# Altium PCB PCB - v3.PcbDoc (part 2 of 2)
Units mm, origin at the board's own origin, x right, y up, seen from the top; angles counter-clockwise.
Board outline 54.04 x 54.04 mm, 4 copper layers (Top Layer, Int1 (GND), Int2 (GND), Bottom Layer), stack 1.586 mm thick; 170 components, 116 nets, 729 pads, 96 vias.
Unrouted connection lines stored in the file: 174.
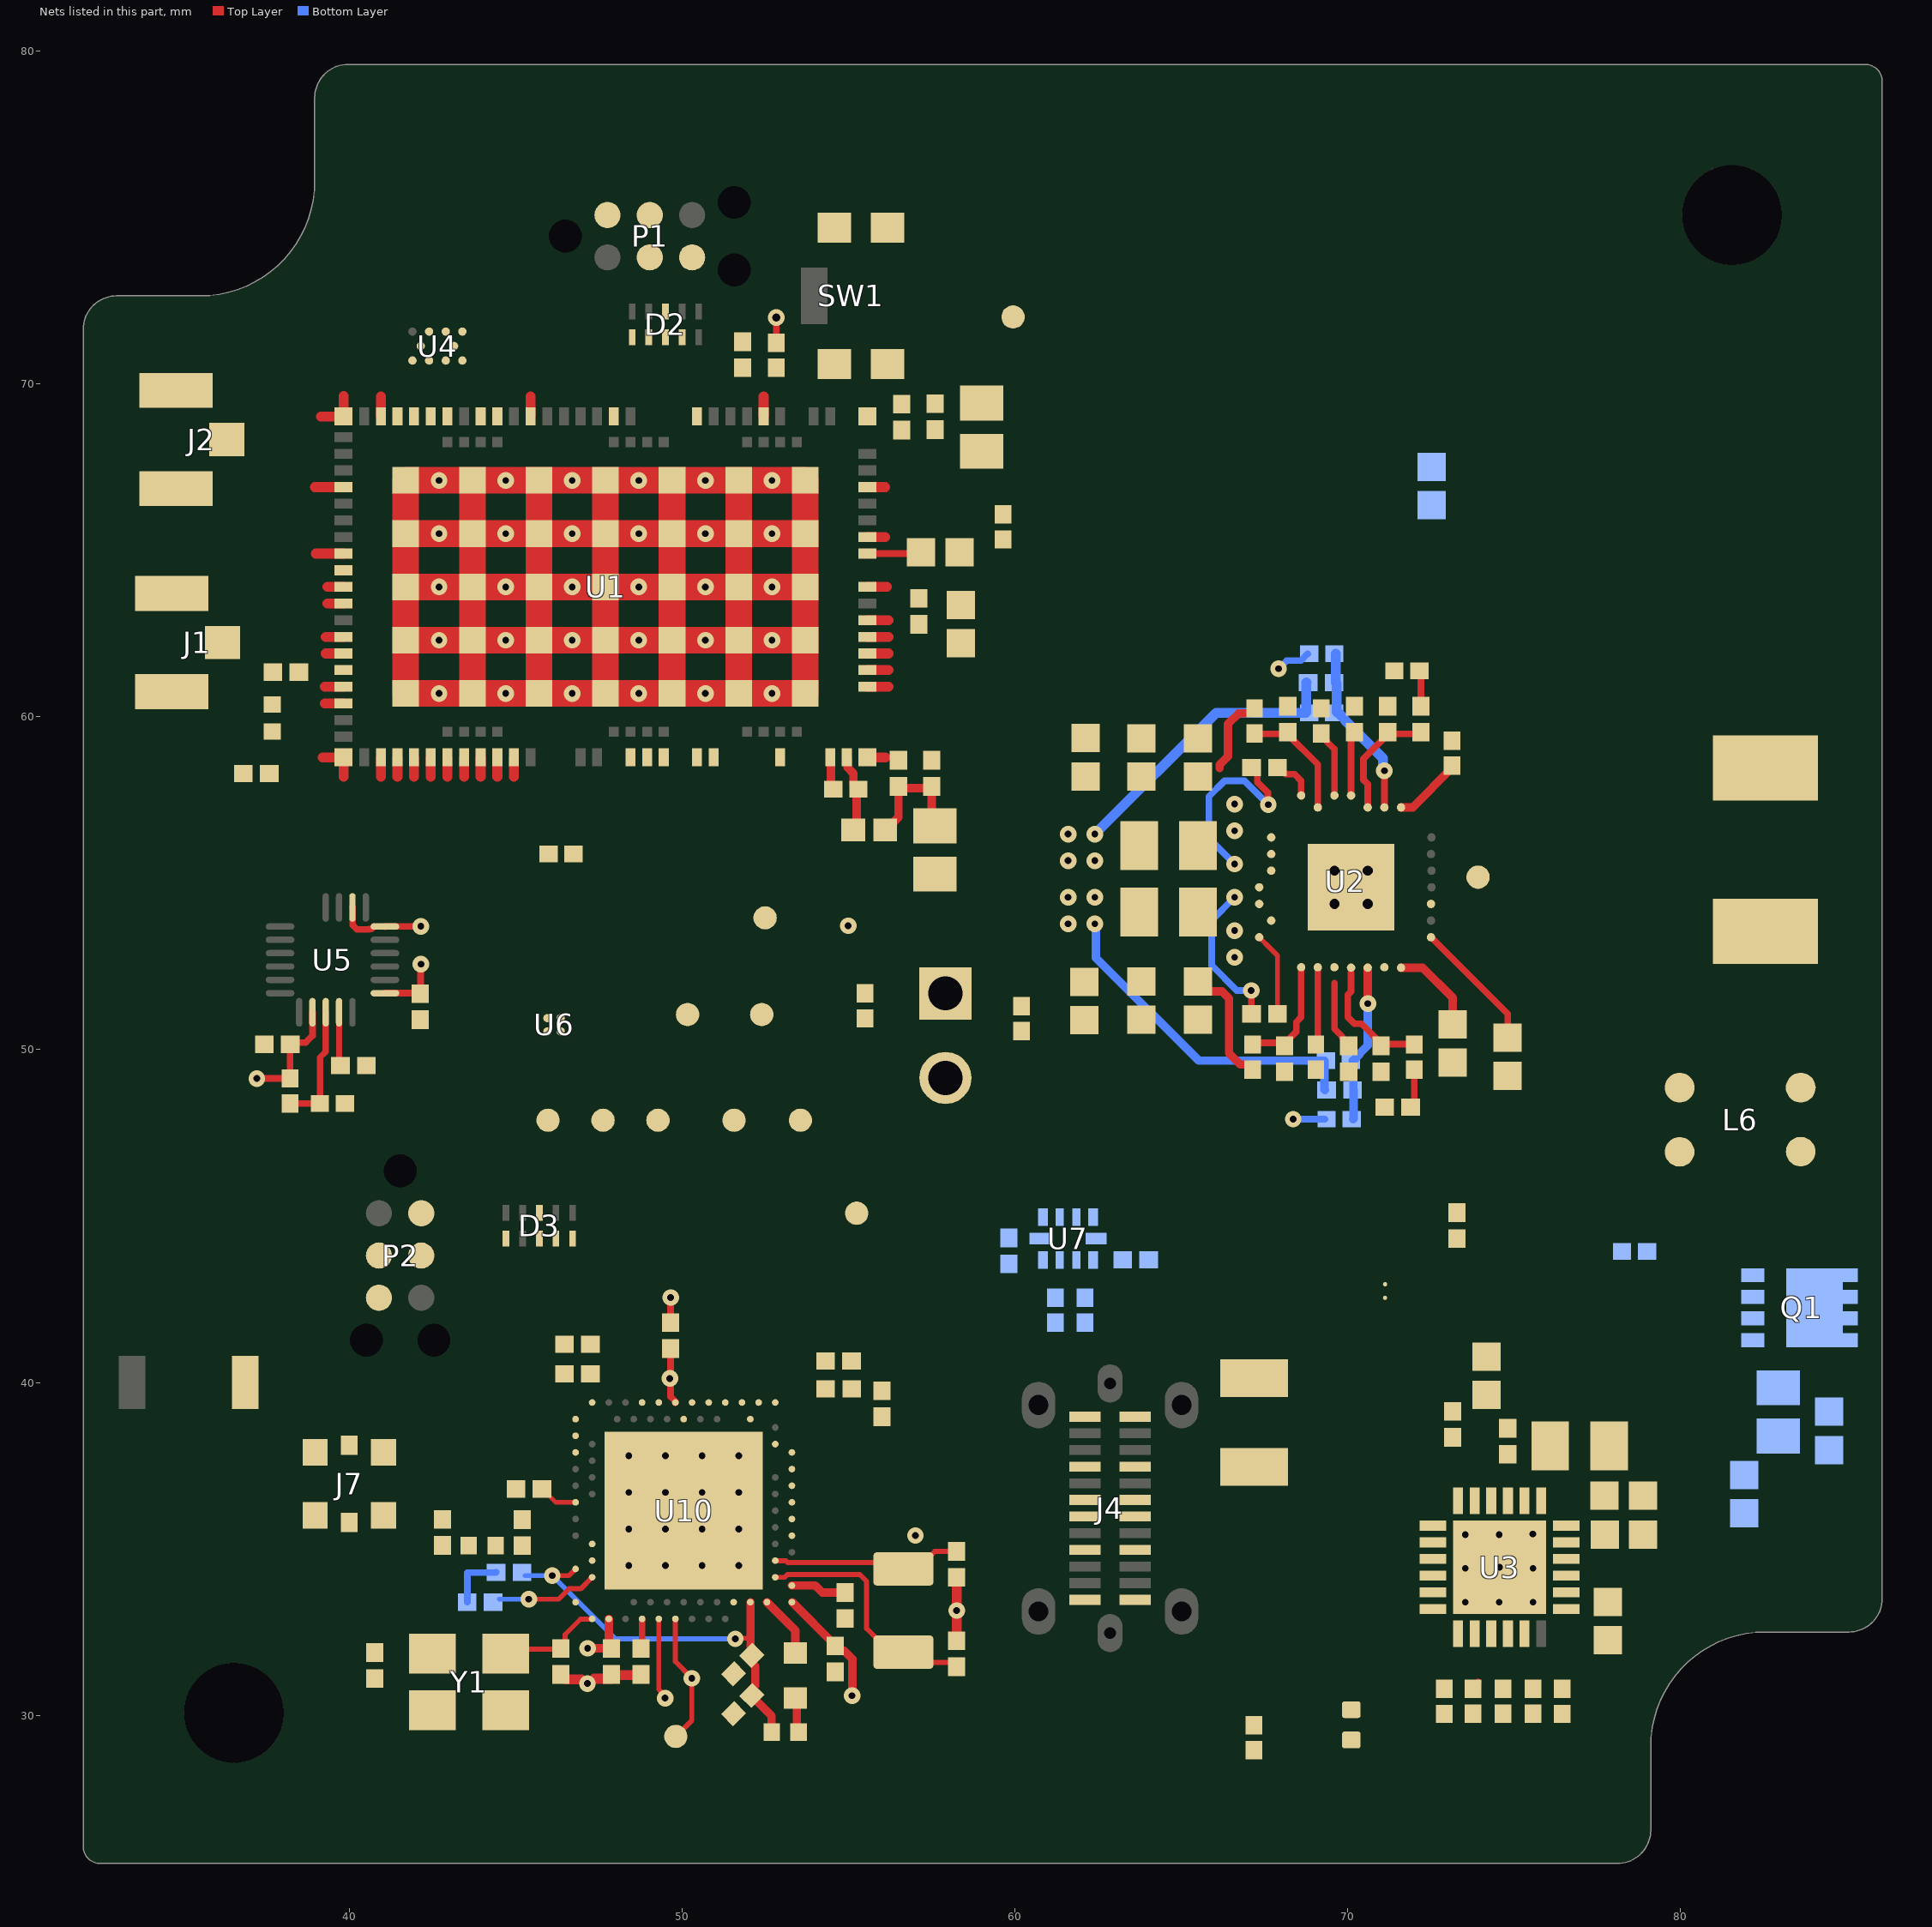
[diagram p4: the nets of this part, all layers, seen from the top]

## Part data
ANT1: library part CMP-27836-000002-1, "RF ANT 2.4GHZ CHIP SOLDER SMD", Manufacturer=Abracon, Max Frequency=2450MHz, Package=AMCA31, Power Rating=3W, Temperature="-40°C to +85°C", Temperature Range High=+85°C, Temperature Range Low=-40°C, Automotive=No, Bandwidth=100MHz, Category=Ant, ComponentLink2Description=Datasheet, ComponentLink2URL=https://abracon.com/chip-antenna/AMCA31-2R450G-S1F-T3.pdf, Device Class L1="Integrated Circuits (ICs)", Device Class L2="RF Semiconductors and Devices", Device Class L3="RF Antennas", Digikey Description="RF ANT 2.4GHZ CHIP SOLDER SMD", Height=1.4mm, Impedance=50Ω, Lead Free=Yes, Manufacturer Part Number=AMCA31-2R450G-S1F-T3, Mouser Description="Antennas 2.45GHz BW 90dB + Gain -1 dBi avg.", Number of Bands=1, Octopart=https://octopart.com/amca31-2r450g-s1f-t3-abracon-31435383, RoHS=TRUE
C1 C7 C9 C14 C15 C21 C22 C24 C66 C67 C68 C69 C70 C71 C72 C74 C75: library part CMP-001-00014-13, "Chip Capacitor, 0603 (1608 Metric)", Case/Package=0603, Max Operating Temperature=Ceramic, Tolerance=?%, Voltage Rating=?V, Mounting Technology=SMT, Pins=2
C2 C10 C13: library part CMP-001-00018-14, "Chip Capacitor, 0805 (2012 Metric)", Capacitor Type=Ceramic, Case/Package=0805, Max Operating Temperature=125°C, Min Operating Temperature=-55°C, Tolerance=?%, Voltage Rating=?V, Mounting Technology=SMT, Pins=2
C3 C4 C5 C6 C8 C11 C12 C16 C17 C18 C19 C23 C25 C26 C27 C28 C29 C30 C31 C32 C33 C34 C35 C36 C37 C38 C39 C40 C41 C42 C43 C45 C46 C47 C48 C49 C50 C51 C52 C53 C54 C55 C56 C57 C58 C59 C60 C63 C64 C65 C73: library part CMP-001-00008-14, "Chip Capacitor, 0402 (1005 Metric)", Capacitor Type=Ceramic, Case/Package=0402, Tolerance=?%, Voltage Rating=?V, Mounting Technology=SMT, Pins=2
C20: library part CMP-001-00008-10, "Chip Capacitor, 0402 (1005 Metric)", Capacitor Type=Ceramic, Case/Package=0402, Tolerance=?%, Voltage Rating=?V, Mounting Technology=SMT, Pins=2
D1: library part CMP-005-000000-1, "LED RGB DIFFUSED 4PLCC SMD", Colour="Blue, Green, Red", Forward Current=20mA, Forward Voltage=3.1/3.1/2.1V, Manufacturer=Broadcom, Manufacturer Part Number=ASMB-BTE1-0B332, Max Junction Temp=+110°C, Package=0, Power Dissipation=90/90/78mW, Reverse Voltage=4V, Temperature="-40°C to +100°C", Temperature Range High=+100°C, Temperature Range Low=-40°C, Automotive=No, Category=Diode, Design Item ID="ASMB-BTE1-0B332 RGB LED", Device Class L1=Optoelectronics, Device Class L2=LEDs, Device Class L3=unset, Digikey Description="LED RGB DIFFUSED 4PLCC SMD", Height=2.1mm, Lead Free=Yes, Led Orientation="Top View", Luminous Intensity=350/1500/630mcd, Octopart=https://octopart.com/asmb-bte1-0b332-broadcom-71127192, Peak Emmision Wavelength=464/521/629nm, RoHS=TRUE, Source="Moto Symbol Lib.SchLib", Viewing Angle=110°, Wavelength=469/529/622nm
D2 D3: library part CMP-001-0001-2, "ESD protection for ultra high-speed interfaces", ComponentLink1Description=Datasheet, ComponentLink1URL=https://assets.nexperia.com/documents/data-sheet/PUSB3FA0.pdf
F1 F2: library part CMP-2000-05653-2, "FUSE BRD MNT 5A 125VAC/VDC 2SMD", Fuse Current=5A, Fuse Interrupt Ac Current=50A, Manufacturer="Littelfuse Inc", Max Fuse Ac Voltage=125V, Package=0451, Resistance=0.0125Ω, Temperature="-55°C to +125°C", Temperature Range High=+125°C, Temperature Range Low=-55°C, Automotive=No, Category=Fuse, ComponentLink2Description=Datasheet, ComponentLink2URL=https://www.littelfuse.com/~/media/electronics/datasheets/fuses/littelfuse_fuse_451_453_datasheet.pdf.pdf, Device Class L1="Circuit Protection", Device Class L2=Fuses, Device Class L3=unset, Digikey Description="FUSE BRD MNT 5A 125VAC/VDC 2SMD", Fuse Blow Speed=Fast, Fuse I2T=5.566A2Sec, Fuse Interrupt Dc Current=50A, Height=2.94mm, Lead Free=Yes, Manufacturer Part Number=0451005.MRL, Max Fuse Dc Voltage=125V, Mouser Description="Surface Mount Fuses 125V 5A", Octopart=https://octopart.com/0451005.mrl-littelfuse-566389, RoHS=TRUE, Voltage Rating=125V
F3: library part CMP-2000-05753-2, "FUSE BOARD MNT 1A 63VAC/VDC 1206", Fuse Current=1A, Fuse Interrupt Ac Current=50A, Fuse Voltage Drop=94.7mV, Manufacturer=Littelfuse, Max Fuse Ac Voltage=63V, Package=0468, Resistance=0.079Ω, Temperature="-55°C to +90°C", Temperature Range High=+90°C, Temperature Range Low=-55°C, Automotive=No, Category=Fuse, ComponentLink2Description=Datasheet, ComponentLink2URL=https://m.littelfuse.com/~/media/electronics/datasheets/fuses/littelfuse_fuse_468_datasheet.pdf.pdf, Device Class L1="Circuit Protection", Device Class L2=Fuses, Device Class L3=unset, Digikey Description="FUSE BOARD MNT 1A 63VAC/VDC 1206", Fuse Blow Speed=Slow, Fuse I2T=0.127A2Sec, Fuse Interrupt Dc Current=50A, Height=0.762mm, Lead Free=Yes, Manufacturer Part Number=0468001.NR, Max Fuse Dc Voltage=63V, Mouser Description="Surface Mount Fuses 1A Slo-Blo", Octopart=https://octopart.com/0468001.nr-littelfuse-566477, RoHS=TRUE, Voltage Rating=63V
FB1: library part CMP-006-00021-1, "Ferrite Beads Multi-Layer 120Ohm 25% 100MHz 2A 0.055Ohm DCR 0402 T/R"
H1 H2: library part CMP-022-000001-2, "Regular Non-Plated, 3mm hole", Manufacturer="Nordic Semiconductor", Manufacturer Part Number=N.A., Artikkelnr Noca=N.A., Component Class=Connectors, Component Type="Standard (No BOM)", ComponentLink1Description=Datasheet, ComponentLink1URL=N.A., ComponentLink2Description="Supplier link", ComponentLink2URL=N.A., Design Item ID=Hole_3MM_NP, Footprint Doc=Hole_3MM_NP, HelpURL=N.A., LatestRevisionDate=2009-12-12, Note="Regular Non-Plated, 3mm hole", Pad Count=1, Part Number=Hole_3MM_NP, Part number IPS=N.A., PartId=100500145, Pin Count=1, Published=2009-12-12, Source=pca20035.SCHLIB
J1 J2: library part CMP-000007-1, "CONN U.FL RCPT STR 50 OHM SMD"
J3: library part CMP-002-00073-2, "Push-Pull 6P 1.35mmH 3µ\" gold with peg and logo Nano SIM Card Connector"
J4: library part CMP-04767-000011-1, "USB VERTICAL TYPE C 3.1"
J5: library part CMP-2000-05162-1, "Male Header, Pitch 2 mm, 1 x 2 Position, Height 6 mm, Tail Length 3.4 mm, -25 to 85 degC, RoHS, Bulk", Manufacturer=JST, Datasheet URL=http://datasheet.octopart.com/B2B-PH-K-S%28LF%29%28SN%29-JST-datasheet-8324864.pdf, Datasheet Version=Nov-08, Manufacturer URL=http://www.jst.com/home2.html, No of Positions=2, Pitch=2mm, Style/Orientation=StraightHeader/Plug, Termination=Crimp, Type=ShroudedHeader
J6: library part CMP-030-000002-4, "PCB Terminal Blocks, Receptacle, Wire-to-Board, 3 Position, 1 Row, Top Wire Entry Angle, 28 – 20 AWG Wire Size, 4 A, 300 VAC, Printed Circuit Board", Current Rating="4 A", Voltage Rating="300 VAC", ComponentLink1Description=Datasheet, ComponentLink1URL=https://www.te.com/usa-en/product-2834085-2.datasheet.pdf, Positions=3, Rows=1
J7: library part CMP-000011-2, "CONN SWF JACK STR 50 OHM SMD"
J8 J9: library part CMP-15831-000009-1, "CONN HEADER VERT 2POS 2.54MM", Current Rating=3A, Manufacturer=Harwin, Temperature="-40°C to +105°C", Temperature Range High=+105°C, Temperature Range Low=-40°C, Automotive=No, Category=Conn, ComponentLink2Description=Datasheet, ComponentLink2URL=https://cdn.harwin.com/pdfs/M20-999.pdf, Conn Gender=Male, Conn Orientation=Vertical, Contact Material=Tin,Nickel, Device Class L1=Connectors, Device Class L2="Headers and Wire Housings", Device Class L3=unset, Digikey Description="CONN HEADER VERT 2POS 2.54MM", Height=8.99mm, Lead Free=Yes, Manufacturer Part Number=M20-9990246, Mouser Description="2.54mm (0.1\") Pitch SIL Vertical PC Tail Pin Header, 6.1mm mating pin height, tin, 2 contacts", Number of contacts=2, Number of Rows=1, Octopart=https://octopart.com/m20-9990246-harwin-2590635, Package=M20-9990246, Pitch=2.54mm, RoHS=TRUE
L1 L5 L8 L9: library part CMP-000000-6, "Inductor RF Chip Thin Film 0402", Current Rating=?A, Inductance=?H, Resonant Frequency=?Hz, Pins=2
L2 L3 L4: library part CMP-006-00023-4, "Inductor RF Chip Thin Film 0805", Current Rating=?A, Inductance=?H, Resonant Frequency=?Hz, Pins=2
L6: library part CMP-000010-1, "Ind Common Mode Choke Wirewound 230 Ohm 100MHz 4A Embossed T/R"
L7: library part CMP-000001-5, "Inductor 0603 Multilayer", Current Rating=?A, Package=0603, Voltage Rating=?V
LED1: library part CMP-007-00040-3, "Chip LED 0402, Red, 0.02 A, 2.0 to 2.5 V, -40 to 80 degC, 2-Pin SMD, RoHS, Tape and Reel", Case/Package=0402, Colour=Red, Mounting Technology=SMT, Pins=2, RoHS Compliant=Yes
P1 P2: library part CMP-002-00072-1, "The TC2030-IDC-NL is our “No Legs” 6-pin Plug-of-Nails™ programming cable fitted with a 6-pin 0.1″ pitch ribbon connector.", ComponentLink1Description=Link, ComponentLink1URL=https://www.tag-connect.com/product/tc2030-idc-nl?fbclid=IwAR1tgnLH4nUig5e5nqm2vOLKgKeHrLJDpX61UscnRNookxhlbYr0vcLwdls
Q1 Q2: library part CMP-028-000000-2, "Trans MOSFET P-CH 30V 50A 8-Pin VDFN EP T/R", Manufacturer_Name="Diodes Inc.", Mouser Part Number=621-DMP3007SCG-13, Arrow Part Number=DMP3007SCG-13, Arrow Price/Stock=https://www.arrow.com/en/products/dmp3007scg-13/diodes-incorporated, Datasheet Link=https://componentsearchengine.com/Datasheets/1/DMP3007SCG-13.pdf, Design Item ID=DMP3007SCG-13, Height=0.85mm, Manufacturer_Part_Number=DMP3007SCG-13, Mouser Price/Stock=https://www.mouser.co.uk/ProductDetail/Diodes-Incorporated/DMP3007SCG-13?qs=lqAf%2FiVYw9j1j9A9Mlh%252Bjg%3D%3D, Source="Moto Symbol Lib.SchLib"
Q3: library part CMP-1259-00088-1, "N-Channel Trench MOSFET, 60 V, 0.3 A, -55 to 150 degC, 3-Pin SOT23, Tape and Reel", Manufacturer="NXP Semiconductors", Automotive Qualified=Y, Channel Type=N, Code_JEDEC=TO-236AB, ComponentLink1Description="Manufacturer URL", ComponentLink1URL=http://www.nxp.com/, ComponentLink2Description=Datasheet, ComponentLink2URL=http://www.nxp.com/documents/data_sheet/2N7002CK.pdf, ComponentLink3Description="Package Specification", ComponentLink3URL=http://www.nxp.com/documents/outline_drawing/sot023_po.pdf, DatasheetVersion="Rev. 01", ID [max] (A)=0.3, IDM [max] (A)=1.2, Mounting Technology="Surface Mount", PackageDescription="3-Pin Small Outline Transistor Package, Body 2.9 x 1.3 mm, Pitch 0.95 mm", PackageReference=SOT23, PackageVersion="06-03-16, 03/2006", Packing="Tape & Reel", PartNumber=2N7002CK,215, VDS [max] (V)=60, VGSth [typ] (V)=1.75
R1 R2 R3 R4 R5 R6 R7 R8 R9 R10 R11 R12 R13 R14 R15 R16 R17 R18 R19 R20 R21 R22 R23 R24 R28 R31 R32 R33 R34 R35 R36 R39 R40: library part CMP-009-00178-4, Package=0403, Design Item ID="Resistor EU", Source="Moto Symbol Lib.SchLib"
R25 R26: library part CMP-009-00178-3, Package=0403, Design Item ID="Resistor EU", Source="Moto Symbol Lib.SchLib"
R27: library part CMP-2000-05824-2, "Thermistor NTC 10KOhm 1% 2-Pin", Max Operating Temperature=110°C, Min Operating Temperature=-50°C, Resistance=10kR, Tolerance=1%, Height=2.4mm, Lead Pitch=2.54mm, Length=17mm, Number of Pins=2, Packaging=Bulk, RoHS Compliant=Yes, Series=AT, Termination=Radial, Width=3.7mm
R29 R30: library part CMP-009-000000-4, Design Item ID="Resistor EU", Source="Moto Symbol Lib.SchLib"
ST1: library part CMP-026-000001-1, "Starpoint", Manufacturer=N.A., Artikkelnr Noca=N.A., Component Class=Connectors, Component Type="Net Tie", ComponentLink1Description=Datasheet, ComponentLink1URL=N.A., ComponentLink2Description="Supplier link", ComponentLink2URL=N.A., Design Item ID="2 pin starpoint", Footprint Doc=N.A., HelpURL=N.A., LatestRevisionDate=2017-08-31, Manufacturer Part Number=N.A., Note=N.A., Pad Count=2, Part Number="2 pin starpoint", Part number IPS=N.A., PartId=100500603, Pin Count=2, Published=2017-08-31, Source=pca20035.SCHLIB
SW1 SW2: library part CMP-011-00014-2, "The MCIPTG33K-V is a Tactile Switch with solder terminal. The 2.8 x 3.8mm vertical push series switch has silver plated stainless steel contact, high-temperature thermoplastic LCP stem and silver plated stainless steel cover.", ComponentLink1Description=Link, ComponentLink1URL=https://www.farnell.com/datasheets/3167256.pdf
TP1 TP2 TP3 TP4 TP5 TP6 TP7 TP8 TP9 TP14 TP15 TP16: library part CMP-025-000000-1, "0.7mm circular SMD testpad", Manufacturer="Nordic Semiconductor", Manufacturer Part Number=N.A., Artikkelnr Noca=N.A., Component Class=Connectors, Component Type="Standard (No BOM)", ComponentLink1Description=Datasheet, ComponentLink1URL=N.A., ComponentLink2Description="Supplier link", ComponentLink2URL=N.A., Design Item ID=TP_SMD_Ø0.7MM, Footprint Doc=TP_SMD_Ø0.7mm, HelpURL=N.A., LatestRevisionDate=2017-12-14, Note=N.A., Pad Count=1, Part Number=TP_SMD_Ø0.7MM, Part number IPS=N.A., PartId=100500474, Pin Count=1, Published=2017-12-14, Source=pca20035.SCHLIB
U1: library part CMP-026-000000-1, "Low power System-in-Package with integrated LTE-M/NB-IoT modem and GPS", Manufacturer="Nordic Semiconductor", Part number IPS=80000002329, Artikkelnr Noca=N.A., Component Class=nRF_Devices, Component Type=Standard, ComponentLink1Description=Datasheet, ComponentLink1URL=N.A., ComponentLink2Description="Supplier link", ComponentLink2URL=N.A., Design Item ID=nRF9160-SICAB1A, Footprint Doc=LGA-161, HelpURL=N.A., LatestRevisionDate=2020-08-13, Manufacturer Part Number=nRF9160-SICAB1A, Note=N.A., Pad Count=161, Part Number=nRF9160-SICAB1A, PartId=102000165, Pin Count=127, Published=2020-08-13, Source=pca20035.SCHLIB
U2: library part CMP-019-00049-6, "TPS65252 4.5V to 16V Input, 3A/2"
U3: library part CMP-010-000003-3, "BQ25890H I2C Controlled Single Cell 5-A Fast Charger with MaxChargeTM Technology for High Input Voltage and Adjustable Voltage USB On-the-Go Boost Mode", Design Item ID=BQ25890H, Source="Moto Symbol Lib.SchLib"
U4: library part CMP-1066-00070-1, "SIM Card EMI Filter Array with ESD Protection, -40 to 85 degC, 10-Pin WLCSP, Pb-Free, Tape and Reel", Manufacturer="On Semiconductor", C Typ (pF)=20, ComponentLink1Description="Manufacturer URL", ComponentLink1URL=http://www.onsemi.com/, ComponentLink2Description=Datasheet, ComponentLink2URL=http://www.onsemi.com/pub_link/Collateral/CM1402-D.PDF, ComponentLink3Description="Package Specification", ComponentLink3URL=http://www.onsemi.com/pub_link/Collateral/567BL.PDF, DatasheetVersion="Rev. 4", Mounting Technology="Surface Mount", Number of Lines=4, PackageDescription="10-Ball Wafer Level Chip Scale Package, Body 1.96 x 1.33 mm", PackageReference=WLCSP-10-567BL-01, PackageVersion="Rev. O, 07/2010", Packing="Tape and Reel", PartNumber=CM1402-03CP, RoHS=Pb-Free
U5: library part CMP-000008-2, "IMU ACCEL/GYRO/COMPI2C/SPI 24QFN"
U6: library part CMP-010-00024-1, "The MAX31875 is a ±1°C-Accurate Local Temperature Sensor with I2C/SMBus Interface."
U7: library part CMP-015-00008-3, "High-Speed USB2.0 1:2 Multiplexer/DeMultiplexer Switch with Signal Enable", ComponentLink1Description=Datasheet, ComponentLink1URL=https://4donline.ihs.com/images/VipMasterIC/IC/DIOD/DIOD-S-A0012930327/DIOD-S-A0012956463-1.pdf?hkey=6D3A4C79FDBF58556ACFDE234799DDF0
U8: library part CMP-04985-000020-1, "TVS DIODE 3.6V 8.4V 3X2SON", Clamping Voltage=8.4V, Max Operating Temperature=125°C, Min Breakdown Voltage=5.1V, Min Operating Temperature=-40°C, Peak Pulse Current=2.5A, Peak Pulse Power=20W, Power Line Protection=No, Resistor Type=Zener, Reverse Standoff Voltage=3.6V, Interface=USB, Mount="Surface Mount", Number of Bidirectional Channels=2, Number Of Channels=2, Number of Pins=3, Packaging="Tape and Reel", RoHS Compliant=Yes
U10: library part CMP-020-00024-2, "Advanced multi-protocol SoC supporting Bluetooth 5/ANT/ 802.15.4/ 2.4GHz proprietary"
Y1: library part CMP-003-00030-1, "Crystal 32MHz ±10ppm (Tol) ±10ppm (Stability) 10pF FUND 50Ohm 4-Pin SMD T/R"
Y2: library part CMP-003-00029-1, "Crystal 32.768kHz 10ppm 7pF -40C +85C", Frequency=32.768kHz, Pins=2

## Via types
v1: diameter 0.5, hole 0.2, Top Layer to Bottom Layer, 91 vias
v2: diameter 0.6, hole 0.3, Top Layer to Bottom Layer, 4 vias
v3: diameter 0.5, hole 0.25, Top Layer to Bottom Layer, 1 vias

## Nets (pads, with @x,y where several pads share a name; then routed paths per layer and width w, separated by ;. In a path a pad name is that pad's centre, name@x,y a point inside that pad or via, vN(x,y) a via of type N, cw(c..) or ccw(c..) an arc to the next point about the centre after c; other vN are vias at no path point)
+1v8: C7.2 C8.2 C32.2 C36.2 C37.2 C38.2 C45.2 C48.2 C57.2 C64.2 C65.2 C74.2 C75.2 L4.2 R2.2 R11.2 R14.2 R20.2 R28.2 R32.2 R34.2 R35.1 R39.1 U5.8 U5.13 U6.A1 U10.A22 U10.AD14 U10.AD23 U10.B1 U10.W1 U10.Y2 | length 23.4
  Top Layer w0.2: v1(37.226,49.133) R20.2@38.218,49.134 ; R20.2@38.219,49.135 38.223,49.14 38.223,50.152 C38.2@38.228,50.157 38.282,50.211 38.691,50.211 38.897,50.417 U5.8@38.897,51.122 ; U5.13@41.072,51.697 C37.2@42.143,51.697 ; C37.2@42.13,51.682 42.143,51.695 C37.2@42.143,51.697 ; v1(42.156,52.57) 42.143,52.557 C37.2@42.143,51.697 ; C37.2@42.283,51.697 C37.2@42.143,51.697 ; v1(49.631,40.121) 49.657,40.095 49.657,39.572 49.8,39.429 U10.AD14@49.8,39.4 ; v1@49.657,40.146 C64.2@49.657,41.021 ; R28.2@52.832,71.235 v3(52.832,71.991)
  Top Layer w0.254: v1(47.164,32.017) 47.166,32.015 C45.2@47.877,32.015 ; U10.A22@47.799,32.899 47.799,32.093 C45.2@47.877,32.015 ; C45.2@47.879,32.013 C45.2@47.877,32.015 ; U10.B1@53.31,33.4 54.6,32.11 C48.2@54.6,32.09 54.6,32.07 54.733,31.937 54.876,31.937 55.117,31.696 55.117,30.601 v1(55.106,30.59)
  Bottom Layer w0.254: v1(62.399,53.776) 62.432,53.743 62.432,52.757 65.52,49.669 69.293,49.669 69.303,49.659 69.303,48.796 C32.2@69.313,48.786
  other v1: 57.011,35.404 61.599,53.776 61.599,54.576 62.399,54.576
+3v3: C2.2 C3.2 C4.2 C5.1 C10.2 C11.2 C12.2 C17.2 C20.2 C70.2 C71.2 D1.2 FB1.1 L1.2 L2.2 R4.2 U7.10 | length 12.4
  Top Layer w0.254: FB1.1@56.1,56.6 56.121,56.6 56.5,56.979 56.5,57.86 57.5,57.86 57.5,56.825 C2.2@57.6,56.725
  Bottom Layer w0.3: v1(62.399,56.476) 66.042,60.119 68.739,60.119 68.749,60.129 68.749,61.015 C17.2@68.759,61.025
  other v1: 61.599,55.676 62.399,55.676 61.599,56.476
+12: C13.2 C15.2 C67.2 C73.2 Q1.1 Q1.2 Q1.3 U3.23
AGND: C24.2 ST1.2
B\M\_\E\N\: R31.2 U3.9 U10.A16 | length 2.7
  Top Layer w0.15: U10.A16@49.3,32.9 49.3,30.782 49.489,30.593 v1(49.489,30.519)
  Top Layer w0.2: R31.2@73.761,30.849 R31.2@73.909,30.997 ; U3.9@74.288,32.426 U3.9@74.311,32.449
"BCK P_GOOD": R14.1 TP15.1 U2.24
BCK_CMP1: C23.1 C27.2 U2.3 | length 3.6
  Top Layer w0.2: U2.3@70.599,57.276 70.599,57.976 70.472,58.103 70.472,58.739 71.199,59.466 71.199,59.486 C23.1@72.199,59.486
BCK_CMP2: C33.2 R18.2 U2.18 | length 3.7
  Top Layer w0.2: 70.099,52.301 70.099,51.746 69.999,51.646 69.999,50.976 70.199,50.776 70.409,50.776 70.999,50.186 70.999,50.166 R18.2@71.964,50.166
BCK_EN1: C25.2 R5.1 U2.6 | length 3.5
  Top Layer w0.2: R5.1@67.234,59.486 C25.2@68.199,59.486 ; C25.2@68.199,59.466 69.099,58.566 U2.6@69.099,57.276
BCK_EN2: C30.2 R9.1 U2.15 | length 3.5
  Top Layer w0.2: R9.1@67.178,50.166 67.143,50.201 C30.2@68.064,50.201 ; C30.2@68.099,50.186 68.453,50.54 68.453,50.83 68.599,50.976 U2.15@68.599,52.476
BCK_FB1: C17.1 R4.1 R6.2 U2.2 | length 5.2
  Top Layer w0.2: U2.2@71.099,57.276 v1(71.099,58.376)
  Bottom Layer w0.3: R6.2@69.644,61.89 69.642,61.888 69.642,61.027 69.639,61.025 69.664,61 69.664,60.144 69.689,60.119 69.714,60.119 69.914,59.919 69.914,59.894 71.061,58.747 71.061,58.414 v1(71.099,58.376)
BCK_FB2: C32.1 R11.1 R16.2 U2.19 | length 4.8
  Top Layer w0.254: U2.19@70.599,52.461 70.599,51.384 v1(70.603,51.38)
  Bottom Layer w0.254: R16.2@70.163,47.912 70.178,47.927 70.178,48.771 70.168,48.781 70.168,49.644 70.143,49.669 70.168,49.669 70.341,49.842 70.341,49.867 70.603,50.129 v1(70.603,51.38)
BCK_RLIM1: R8.2 U2.5 | length 2
  Top Layer w0.2: R8.2@69.199,59.451 69.199,59.426 69.599,59.026 U2.5@69.599,57.636
BCK_RLIM2: R10.2 U2.16 | length 2.3
  Top Layer w0.15: R10.2@69.041,50.201 R10.2@69.099,50.259
  Top Layer w0.2: R10.2@69.099,50.259 U2.16@69.099,52.476
BCK_SS1: C26.2 U2.4 | length 1.7
  Top Layer w0.2: U2.4@70.099,57.636 C26.2@70.099,59.386
BCK_SS2: C31.2 U2.17 | length 2
  Top Layer w0.2: 69.599,52.001 69.599,51.576 69.599,50.622 69.818,50.404 69.818,50.376 C31.2@70.028,50.166
BCK_SW1: C16.2 L2.1 U2.9 U2.10 | length 6
  Top Layer w0.2: C16.2@67.059,58.476 67.074,58.476 67.284,58.266 67.284,58.037 67.598,57.724 67.598,57.374 v1(67.612,57.36)
  Bottom Layer w0.2: v1(66.599,55.576) 65.826,56.349 65.826,57.603 66.299,58.076 66.896,58.076 v1@67.598,57.374
BCK_SW2: C28.2 L4.1 U2.11 U2.12 | length 4.5
  Top Layer w0.2: v1(67.099,51.776) 67.104,51.771 67.104,51.081 C28.2@67.109,51.076
  Bottom Layer w0.2: v1(66.599,54.576) 65.913,53.89 65.913,52.53 66.667,51.776 v1(67.099,51.776)
BLE_ANT: ANT1.1 C55.2 L9.2
BLE_PIN: C52.2 L8.1 U10.H23
Blue_LED: R24.1
BM_INT: TP14.1 U3.7 U10.A14 | length 3.9
  Top Layer w0.15: U10.A14@49.8,32.9 49.8,31.616 50.292,31.124 v1(50.292,31.115) 50.292,29.849 TP14.1@49.812,29.369
BM_REGN: C24.1 R13.2 U3.22
BM_SW: C18.2 L3.1 U3.19 U3.20
BM_TS: R13.1 R15.2 R27.2 U3.11
COEX0: TP4.1 U1.93 U10.AD8
COEX1: TP3.1 U10.U1
COEX2: TP1.1 U1.91 U10.AD10
CTS_INT_MCU: TP7.1 U10.N1
D_BM_N: U3.3 U7.4
D_BM_P: U3.2 U7.3
D_MCU_N: U7.2 U10.AD4
D_MCU_P: U7.1 U10.AD6
D_N: R25.2 U7.7
D_N_CONN: J4.A7 J4.B7 R25.1 U8.2
D_P: R26.2 U7.8
D_P_CONN: J4.A6 J4.B6 R26.1 U8.3
DSEL: C29.2 U3.24 U7.9
GND: C1.1 C2.1 C3.1 C4.1 C5.2 C7.1 C8.1 C9.1 C10.1 C11.1 C12.1 C13.1 C14.1 C15.1 C19.1 C20.1 C21.1 C22.1 C25.1 C26.1 C27.1 C29.1 C30.1 C31.1 C33.1 C34.1 C35.1 C36.1 C37.1 C38.1 C39.1 C40.1 C41.1 C42.1 C43.1 C45.1 C46.1 C47.1 C48.1 C49.1 C50.1 C51.1 C52.1 C53.1 C54.1 C55.1 C56.1 C57.1 C58.1 C59.1 C60.1 C63.1 C64.1 C65.1 C66.1 C67.1 C68.1 C69.1 C70.1 C71.1 C72.1 C73.1 C74.1 C75.1 D2.3 D2.8 D3.3 D3.8 J1.2 J1.3 J2.2 J2.3 J3.C4 J3.C5 J3.C8 J4.A1 J4.A12 J4.B1 J4.B12 J5.2 J7.3 J7.4 J7.5 J7.6 J8.2 J9.2 L6.2 P1.5 P2.5 Q2.5 Q2.6 Q2.7 Q2.8 Q2.9 Q3.2 R3.1 R6.1 R7.2 R8.1 R10.1 R15.1 R16.1 R17.1 R19.1 R21.1 R27.1 R31.1 R33.1 ST1.1 SW1.2 SW1.4 SW2.2 SW2.4 U1.1 U1.5 U1.6 U1.7 U1.8 U1.9 U1.11 U1.14 U1.17 U1.21 U1.27 U1.31 U1.36 U1.41 U1.44 U1.47 U1.50 U1.52 U1.56 U1.60 U1.62 U1.63 U1.65 U1.66 U1.68 U1.69 U1.72 U1.74 U1.75 U1.76 U1.77 U1.78 U1.79 U1.80 U1.81 U1.82 U1.90 U1.94 U1.98 U1.103 U2.29 U3.17 U3.18 U3.25 U4.B1 U4.B2 U5.18 U5.20 U6.A2 U7.5 U7.6 U8.1 U10.74 U10.B7 U10.F23 Y1.2 Y1.4 | length 136
  Top Layer w0.2: U5.20@40.097,54.272 40.101,54.268 40.101,53.74 40.23,53.611 40.59,53.611 40.602,53.623 40.671,53.623 U5.18@40.741,53.693 ; U5.18@41.072,53.697 41.076,53.701 42.145,53.701 v1(42.151,53.706) ; C64.1@49.657,41.801 v1(49.657,42.554)
  Top Layer w0.254: U1.1@55.57,58.78 U1.1@55.6,58.75
  Top Layer w0.3: 38.968,66.9 U1.56@39.83,66.9 ; 39,64.9 U1.60@39.83,64.9 ; 39.148,69.02 U1.52@39.83,69.02 39.83,69.638 ; 39.2,58.78 U1.72@39.83,58.78 39.83,58.2 ; 39.268,60.4 U1.69@39.83,60.4 ; 39.268,60.9 U1.68@39.83,60.9 ; 39.3,61.9 U1.66@39.83,61.9 ; 39.3,62.4 U1.65@39.83,62.4 ; 39.35,63.4 U1.63@39.83,63.4 ; 39.35,63.9 U1.62@39.83,63.9 ; 40.95,58.2 U1.74@40.95,58.78 ; U1.50@40.95,69.02 40.95,69.618 ; 41.45,58.2 U1.75@41.45,58.78 ; 41.95,58.2 U1.76@41.95,58.78 ; 42.45,58.2 U1.77@42.45,58.78 ; 42.95,58.2 U1.78@42.95,58.78 ; 43.45,58.2 U1.79@43.45,58.78 ; 43.95,58.2 U1.80@43.95,58.78 ; 44.45,58.2 U1.81@44.45,58.78 ; 44.95,58.2 U1.82@44.95,58.78 ; U1.41@45.45,69.02 45.45,69.618 ; C43.1@46.4,31.21 46.4,31.19 46.51,31.08 46.98,31.08 47.103,30.957 47.211,30.957 47.357,31.103 47.893,31.103 48,31.21 C42.1@48.8,31.21 ; v1@50.7,60.646 v1(50.7,60.7) ; U1.27@52.45,69.02 52.45,69.618 ; U1.1@55.57,58.78 56.109,58.78 ; U1.5@55.57,60.9 56.2,60.9 ; U1.6@55.57,61.4 56.2,61.4 ; U1.7@55.57,61.9 56.2,61.9 ; U1.8@55.57,62.4 56.2,62.4 ; U1.9@55.57,62.9 56.2,62.9 ; U1.11@55.57,63.9 56.157,63.9 ; U1.14@55.57,65.4 56.1,65.4 ; U1.17@55.57,66.9 56.1,66.9 ; C50.1@58.25,32.24 v1(58.25,33.15) C51.1@58.25,34.15
  Top Layer w0.8: U1.103@41.7,62.3 v1(42.7,62.3) U1.103@43.7,62.3 ; U1.103@41.7,62.3 U1.103@41.7,63.9 ; U1.103@41.7,62.3 U1.103@41.7,60.7 v1(42.7,60.7) U1.103@43.7,60.7 ; U1.103@41.7,63.9 v1(42.7,63.9) U1.103@43.7,63.9 ; U1.103@41.7,63.9 U1.103@41.7,65.5 ; U1.103@41.7,65.5 v1(42.7,65.5) U1.103@43.7,65.5 ; U1.103@41.7,65.5 U1.103@41.7,67.1 v1(42.7,67.1) U1.103@43.7,67.1 ; U1.103@43.7,60.7 U1.103@43.7,62.3 ; U1.103@43.7,60.7 v1(44.7,60.7) U1.103@45.7,60.7 ; U1.103@43.7,62.3 U1.103@43.7,63.9 ; U1.103@43.7,62.3 v1(44.7,62.3) U1.103@45.7,62.3 ; U1.103@43.7,63.9 U1.103@43.7,65.5 ; U1.103@43.7,63.9 v1(44.7,63.9) U1.103@45.7,63.9 ; U1.103@43.7,65.5 U1.103@43.7,67.1 ; U1.103@43.7,65.5 v1(44.7,65.5) U1.103@45.7,65.5 ; U1.103@43.7,67.1 v1(44.7,67.1) U1.103@45.7,67.1 ; U1.103@45.7,60.7 U1.103@45.7,62.3 ; U1.103@45.7,60.7 v1(46.7,60.7) U1.103@47.7,60.7 ; U1.103@45.7,62.3 U1.103@45.7,63.9 ; U1.103@45.7,62.3 v1(46.7,62.3) U1.103@47.7,62.3 ; U1.103@45.7,63.9 U1.103@45.7,65.5 ; U1.103@45.7,63.9 v1(46.7,63.9) U1.103@47.7,63.9 ; U1.103@45.7,65.5 U1.103@45.7,67.1 ; U1.103@45.7,65.5 v1(46.7,65.5) U1.103@47.7,65.5 ; U1.103@45.7,67.1 v1(46.7,67.1) U1.103@47.7,67.1 ; U1.103@47.7,60.7 U1.103@47.7,62.3 ; U1.103@47.7,60.7 v1(48.7,60.7) U1.103@49.7,60.7 ; U1.103@47.7,62.3 U1.103@47.7,63.9 ; U1.103@47.7,62.3 v1(48.7,62.3) U1.103@49.7,62.3 ; U1.103@47.7,63.9 U1.103@47.7,65.5 ; U1.103@47.7,63.9 v1(48.7,63.9) U1.103@49.7,63.9 ; U1.103@47.7,65.5 U1.103@47.7,67.1 ; U1.103@47.7,65.5 v1(48.7,65.5) U1.103@49.7,65.5 ; U1.103@47.7,67.1 v1(48.7,67.1) U1.103@49.7,67.1 ; U1.103@49.7,60.7 U1.103@49.7,62.3 ; U1.103@49.7,60.7 v1(50.7,60.7) U1.103@51.7,60.7 ; U1.103@49.7,62.3 U1.103@49.7,63.9 ; U1.103@49.7,62.3 v1(50.7,62.3) U1.103@51.7,62.3 ; U1.103@49.7,63.9 U1.103@49.7,65.5 ; U1.103@49.7,63.9 v1(50.7,63.9) U1.103@51.7,63.9 ; U1.103@49.7,65.5 U1.103@49.7,67.1 ; U1.103@49.7,65.5 v1(50.7,65.5) U1.103@51.7,65.5 ; U1.103@49.7,67.1 v1(50.7,67.1) U1.103@51.7,67.1 ; U1.103@51.7,60.7 U1.103@51.7,62.3 ; U1.103@51.7,60.7 v1(52.7,60.7) U1.103@53.7,60.7 U1.103@53.7,62.3 ; U1.103@51.7,62.3 U1.103@51.7,63.9 ; U1.103@51.7,62.3 v1(52.7,62.3) U1.103@53.7,62.3 ; U1.103@51.7,63.9 v1(52.7,63.9) U1.103@53.7,63.9 ; U1.103@51.7,63.9 U1.103@51.7,65.5 ; U1.103@51.7,65.5 U1.103@51.7,67.1 ; U1.103@51.7,65.5 v1(52.7,65.5) U1.103@53.7,65.5 ; U1.103@51.7,67.1 v1(52.7,67.1) U1.103@53.7,67.1 U1.103@53.7,65.5 ; U1.103@53.7,62.3 U1.103@53.7,63.9 ; U1.103@53.7,63.9 U1.103@53.7,65.5
  Bottom Layer w0.2: C46.1@43.543,33.401 43.552,33.41 43.552,34.281 43.562,34.291 44.401,34.291 C49.1@44.41,34.3 ; v1(67.919,61.443) 68.167,61.69 68.594,61.69 R6.1@68.794,61.89 ; v1(68.359,47.912) R16.1@69.313,47.912
  other v1: 47.157,30.957 73.533,33.401 74.549,33.401 75.565,33.401 73.533,34.417 75.565,34.417 74.561,34.449 48.4,34.5 49.5,34.5 50.6,34.5 51.7,34.5 73.533,35.433 74.549,35.433 75.561,35.449 48.4,35.6 49.5,35.6 50.6,35.6 51.7,35.6 48.4,36.7 49.5,36.7 50.6,36.7 51.7,36.7 48.4,37.8 49.5,37.8 50.6,37.8 51.7,37.8 54.991,53.721
  other v2: 69.599,54.376 70.599,54.376 69.599,55.376 70.599,55.376
GPS_RF1: C6.2 U1.67
GPS_RF2: C6.1 J1.1 L1.1
Green_LED: R22.1
H\o\r\n\: R30.1
INT_IMU: 
"LOW P-MODE": TP16.1 U2.20
LTE_RF: J2.1 U1.61
NetC16_1: C16.1 U2.7 | length 1.3
  Top Layer w0.2: C16.1@67.939,58.476 68.141,58.274 68.401,58.274 68.599,58.076 U2.7@68.599,57.636
NetC18_1: C18.1 U3.21
NetC23_2: C23.2 R7.1 | length 1
  Top Layer w0.2: C23.2@72.199,60.366 R7.1@72.199,61.376
NetC28_1: C28.1 U2.14 | length 2.3
  Top Layer w0.15: U2.14@67.339,53.376 67.684,53.031 67.889,52.826 C28.1@67.889,51.276
NetC34_2: C34.2 R18.1 | length 1.1
  Top Layer w0.2: C34.2@71.939,48.276 71.999,48.336 R18.1@71.999,49.351
NetC35_2: C35.2 U5.10 | length 1.6
  Top Layer w0.19: U5.10@39.697,51.122 39.697,49.559 C35.2@39.734,49.522
NetC47_2: C47.2 U10.C1 | length 1.7
  Top Layer w0.25: U10.C1@53.3,33.9 54.005,33.9 54.215,33.69 C47.2@54.9,33.69
NetC50_2: C50.2 U10.D2 Y2.1 | length 7.5
  Top Layer w0.15: U10.D2@52.8,34.15 53.083,34.15 53.163,34.23 55.34,34.23 55.545,34.025 55.545,32.61 56.255,31.9 Y2.1@56.65,31.9 56.959,31.591 58.119,31.591 C50.2@58.25,31.46
NetC51_2: C51.2 U10.F2 Y2.2 | length 5.8
  Top Layer w0.15: U10.F2@52.8,34.65 52.806,34.644 53.125,34.644 53.174,34.595 56.455,34.595 Y2.2@56.65,34.4 57.064,34.4 57.594,34.93 C51.2@58.25,34.93
NetC53_2: C53.2 J7.2 L8.2
NetC54_2: C54.2 J7.1 L9.1
NetC66_2: C66.2 U2.22 | length 3.9
  Top Layer w0.2: U2.22@72.499,53.376 74.803,51.072 C66.2@74.803,50.409
NetC68_2: C68.2 U2.21 | length 2.7
  Top Layer w0.254: U2.21@71.599,52.461 72.253,52.461 73.151,51.563 C68.2@73.151,50.813
NetD1_1: D1.1 R24.2
NetD1_3: D1.3 R23.2
NetD1_4: D1.4 R22.2
NetF1_2: F1.2 L6.4
NetF2_1: F2.1 J6.1
NetF2_2: F2.2 Q2.1 Q2.2 Q2.3
NetJ3_C2: J3.C2 U4.C1
NetJ3_C3: J3.C3 U4.C2
NetJ3_C7: J3.C7 U4.C3
NetJ8_1: J8.1 R39.2 R40.2
NetJ9_1: J9.1 R35.2 R36.1
NetL5_1: L5.1 L7.2 | length 1.2
  Top Layer w0.254: L7.2@53.45,30.65 53.45,29.55 L5.1@53.5,29.5
NetL6_3: L6.3 Q1.5 Q1.6 Q1.7 Q1.8 Q1.9
NetLED1_1: LED1.1 R12.2
NetQ1_4: Q1.4 R3.2
NetQ2_4: Q2.4 Q3.3 R29.1
NetQ3_1: Q3.1 R30.2
NetR12_1: R12.1 U3.4
NetR17_2: R17.2 U3.10
NetR19_2: R19.2 U2.1 | length 2
  Top Layer w0.254: U2.1@71.599,57.276 71.948,57.276 73.128,58.456 R19.2@73.128,58.481
NetR20_1: R20.1 R21.2 U5.9 | length 3.7
  Top Layer w0.19: R20.1@38.219,48.385 38.222,48.382 R21.2@39.117,48.382 ; R21.2@39.12,48.379 39.12,49.766 39.297,49.943 U5.9@39.297,51.122
NetR33_2: R33.2 U3.8
NetR40_1: R40.1
nRF52_BOOT: R36.2 U10.W24
nRF52_DCC: L7.1 U10.B3 | length 1.9
  Top Layer w0.254: U10.B3@52.55,33.4 53.4,32.55 L7.1@53.4,31.875
nRF52_DEC2: C42.2 U10.A18 | length 0.9
  Top Layer w0.2: C42.2@48.8,31.99 U10.A18@48.8,32.9
nRF52_DEC3: C46.2 U10.D23 | length 3.1
  Top Layer w0.15: v1(45.393,33.493) 46.293,33.493 46.603,33.803 46.953,33.803 U10.D23@47.3,34.15
  Bottom Layer w0.15: C46.2@44.507,33.493 v1(45.393,33.493)
nRF52_DEC5: C56.2 U10.N24 | length 1.2
  Top Layer w0.137: C56.2@45.81,36.8 46.21,36.4 U10.N24@46.8,36.4
nRF52_DEC6_4: C40.2 C41.2 C49.2 L5.2 U10.B5 U10.E24 | length 12.6
  Top Layer w0.15: v1(46.1,34.2) 46.6,34.2 U10.E24@46.8,34.4 ; v1(51.6,32.3) 51.621,32.321 52.055,32.321
  Top Layer w0.25: U10.B5@52.055,33.395 52.055,32.321 52.055,32.064 52.114,32.005 52.114,31.814 52.086,31.786 52.086,31.595 52.196,31.484 52.196,30.887 52.1,30.791 52.1,30.575 52.69,29.985 L5.2@52.69,29.5
  Bottom Layer w0.15: C49.2@45.29,34.2 v1(46.1,34.2) 48,32.3 v1(51.6,32.3)
nRF52_DECUSB: C63.2 U10.AC5
nRF52_RST: C60.2 D3.4 P2.3 R34.1 SW2.1 SW2.3 U10.AC13 U10.AD12 | length 1.1
  Top Layer w0.17: C60.2@16.997,48.895 18.081,48.895 SW2.3@18.093,48.907
nRF52_SWCLK: D3.1 P2.4 U10.AA24
nRF52_SWDIO: D3.5 P2.2 U10.AC24
nRF52_XC1: C39.2 U10.B24 Y1.1
nRF52_XC2: C43.2 U10.A23 Y1.3 | length 3.2
  Top Layer w0.15: Y1.3@44.7,31.85 44.84,31.99 C43.2@46.4,31.99 ; C43.2@46.355,32.013 46.489,32.147 46.489,32.43 46.949,32.89 47.29,32.89 U10.A23@47.3,32.9
nRF91_DEC0: C9.2 U1.13 | length 1.6
  Top Layer w0.2: U1.13@55.57,64.9 57.088,64.9 C9.2@57.131,64.943
nRF91_EN: R1.1 U1.101 | length 1
  Top Layer w0.254: U1.101@54.45,58.78 54.473,58.757 54.473,57.845 R1.1@54.497,57.821
nRF91_RST: C59.2 D2.2 P1.3 R28.1 SW1.1 SW1.3
nRF91_SWDCLK: D2.4 P1.4
nRF91_SWDIO: D2.1 P1.2
nRF91_VDD1: FB1.2 R1.2 U1.102 | length 2.4
  Top Layer w0.254: U1.102@54.95,58.78 54.973,58.757 54.973,58.474 55.149,58.297 55.149,57.994 R1.2@55.322,57.821 ; FB1.2@55.134,56.609 FB1.2@55.143,56.6 55.245,56.702 55.245,57.743 R1.2@55.322,57.821 ; R1.2@55.347,57.821 R1.2@55.322,57.821
Red_LED: R23.1
RTS_INT_MCU: TP6.1 U10.R1
RX_INT_MCU: TP9.1 U10.J1
SCL: R2.1 TP5.1 U3.6 U6.B2 U10.AD18
SDA: R32.1 TP2.1 U1.89 U3.5 U6.B1 U10.AD16
SIM_1V8: C14.2 J3.C1 U1.49 U4.A4
SIM_CLK: U1.46 U4.A2
SIM_IO: U1.48 U4.A3
SIM_RST: U1.43 U4.A1
TX_INT_MCU: TP8.1 U10.L1
USB-C_VBUS_CMN: F3.1 J4.A4 J4.A9 J4.B4 J4.B9
"VLEAD +": F1.1 J6.3 R29.2
"VLEAD -": J6.2 L6.1
VLiPo: C1.2 J5.1 U3.13 U3.14
VSYS: C21.2 C22.2 C69.2 C72.2 L3.2 LED1.2 R5.2 R9.2 U2.8 U2.13 U3.15 U3.16 | length 5.6
  Top Layer w0.25: C69.2@65.899,51.751 66.22,51.751 66.43,51.541 66.43,49.895 66.774,49.551 66.968,49.551 67.143,49.376 R9.2@67.143,49.351 ; 66.149,58.457 66.149,58.556 66.402,58.809 66.402,59.783 66.72,60.101 67.024,60.101 R5.2@67.199,60.276
  other v1: 66.599,52.776 66.599,53.576 66.599,56.576 66.599,57.376
VUSB: C19.2 C58.2 F3.2 U3.1 U10.AD2
pads on no net: ANT1.2 D2.5 D2.6 D2.7 D2.9 D2.10 D3.2 D3.6 D3.7 D3.9 D3.10 H1. H2. J3.1 J3.4 J3.C6 J4.1 J4.2 J4.3 J4.4 J4.5 J4.6 J4.A2 J4.A3 J4.A5 J4.A8 J4.A10 J4.A11 J4.B2 J4.B3 J4.B5 J4.B8 J4.B10 J4.B11 P1. P1.1 P1.6 P2. P2.1 P2.6 SW1.5 SW2.5 U1.10 U1.15 U1.16 U1.18 U1.19 U1.23 U1.24 U1.26 U1.28 U1.29 U1.30 U1.35 U1.37 U1.38 U1.39 U1.40 U1.42 U1.45 U1.51 U1.53 U1.54 U1.55 U1.57 U1.58 U1.59 U1.64 U1.70 U1.71 U1.73 U1.83 U1.86 U1.87 U1.104 U1.105 U1.106 U1.107 U1.108 U1.109 U1.110 U1.111 U1.112 U1.113 U1.114 U1.115 U1.116 U1.117 U1.118 U1.119 U1.120 U1.121 U1.122 U1.123 U1.124 U1.125 U1.126 U1.127 U2.23 U2.25 U2.26 U2.27 U2.28 U3.12 U4.C4 U5.1 U5.2 U5.3 U5.4 U5.5 U5.6 U5.7 U5.11 U5.14 U5.15 U5.16 U5.17 U5.19 U5.21 U5.22 U10.A8 U10.A10 U10.A12 U10.A20 U10.AB2 U10.AC9 U10.AC11 U10.AC15 U10.AC17 U10.AC19 U10.AC21 U10.AD20 U10.AD22 U10.B9 U10.B11 U10.B13 U10.B15 U10.B17 U10.B19 U10.G1 U10.H2 U10.J24 U10.K2 U10.L24 U10.M2 U10.P2 U10.P23 U10.R24 U10.T2 U10.T23 U10.U24 U10.V23 U10.Y23

## Polygon pours and split planes (outlines as drawn)
BCK_SW2 on Top Layer "NONET_L01_P102" (solid, remove dead copper, shelved, pour order 102): 67.199,55.016 68.059,55.016 68.199,54.876 68.199,54.39 68.045,54.236 66.259,54.236 66.099,54.076 66.099,53.376 64.899,53.376 64.899,55.016
BCK_SW1 on Top Layer "NONET_L01_P103" (solid, remove dead copper, shelved, pour order 103): 67.199,55.236 68.059,55.236 68.199,55.376 68.199,55.876 68.059,56.016 66.359,56.016 66.06,56.315 66.06,56.857 64.899,56.857 64.899,55.236 64.898,55.235
VSYS on Top Layer "NONET_L01_P104" (solid, remove dead copper, shelved, pour order 104): 67.199,53.736 68.087,53.736 68.199,53.848 68.199,53.904 68.087,54.016 66.389,54.016 66.241,53.868 66.241,53.175 64.899,53.175 64.899,51.584 66.007,51.584 66.999,52.576 66.999,53.576
+1v8 on Top Layer "NONET_L01_P106" (solid, remove dead copper, shelved, pour order 106): 61.199,51.576 64.399,51.576 64.399,55.131 61.199,55.131
+3v3 on Top Layer "NONET_L01_P110" (solid, remove dead copper, shelved, pour order 110): 64.399,55.131 64.399,58.676 61.199,58.676 61.199,55.131
VSYS on Top Layer "NONET_L01_P112" (solid, remove dead copper, shelved, pour order 112): 68.087,56.236 68.199,56.348 68.199,56.404 68.087,56.516 67.199,56.516 67.199,57.676 66.799,58.076 66.699,58.076 66.099,58.676 64.899,58.676 64.899,57.476 65.699,57.476 66.221,56.954 66.221,56.236
GND on Top Layer "NONET_L01_P129" (solid, remove dead copper, shelved, pour order 129): 30.869,78.303 85.538,78.303 85.538,28.184 30.865,28.184
VSYS on Bottom Layer "NONET_L04_P130" (solid, remove dead copper, shelved, pour order 130): 66.04,52.324 68.447,52.324 68.834,52.711 68.834,56.261 67.019,58.076 66.299,58.076 65.659,57.436 65.659,52.705
+3v3 on Bottom Layer "NONET_L04_P120" (solid, remove dead copper, shelved, pour order 120): 61.199,55.271 62.841,55.271 63.054,55.484 63.054,57.131 61.426,57.131 61.199,56.903
GND on Int2 (GND) (split plane): 39.963,79.084 85.542,79.084 85.542,33.505 85.543,33.493 85.535,33.409 85.507,33.316 85.461,33.231 85.4,33.157 85.325,33.096 85.24,33.05 85.148,33.022 85.064,33.014 85.052,33.015 82.532,33.015 82.251,33.005 81.972,32.975 81.695,32.925 81.422,32.855 81.155,32.767 80.895,32.659 80.644,32.533 80.402,32.39 80.171,32.229 79.952,32.053 79.746,31.861 79.554,31.655 79.378,31.436 79.217,31.205 79.074,30.963 78.948,30.711 78.84,30.452 78.751,30.185 78.682,29.912 78.632,29.635 78.602,29.356 78.592,29.074 78.592,26.555 78.593,26.543 78.585,26.459 78.557,26.366 78.511,26.281 78.45,26.207 78.376,26.146 78.29,26.1 78.198,26.072 78.114,26.064 78.102,26.065 32.523,26.065 32.523,71.644 32.522,71.656 32.53,71.74 32.558,71.832 32.604,71.918 32.665,71.992 32.739,72.053 32.825,72.099 32.917,72.127 33.001,72.135 33.013,72.134 35.532,72.134 35.814,72.144 36.093,72.174 36.37,72.224 36.643,72.293 36.91,72.382 37.169,72.49 37.421,72.616 37.663,72.759 37.894,72.92 38.113,73.096 38.319,73.288 38.511,73.494 38.687,73.713 38.848,73.944 38.991,74.186 39.117,74.437 39.225,74.697 39.314,74.964 39.383,75.237 39.433,75.514 39.463,75.793 39.473,76.074 39.473,78.594 39.472,78.606 39.48,78.69 39.508,78.782 39.554,78.867 39.615,78.942 39.689,79.003 39.774,79.049 39.867,79.077 39.951,79.085
GND on Int1 (GND) (split plane): 39.963,79.084 85.542,79.084 85.542,33.505 85.543,33.493 85.535,33.409 85.507,33.316 85.461,33.231 85.4,33.157 85.325,33.096 85.24,33.05 85.148,33.022 85.064,33.014 85.052,33.015 82.532,33.015 82.251,33.005 81.972,32.975 81.695,32.925 81.422,32.855 81.155,32.767 80.895,32.659 80.644,32.533 80.402,32.39 80.171,32.229 79.952,32.053 79.746,31.861 79.554,31.655 79.378,31.436 79.217,31.205 79.074,30.963 78.948,30.711 78.84,30.452 78.751,30.185 78.682,29.912 78.632,29.635 78.602,29.356 78.592,29.074 78.592,26.555 78.593,26.543 78.585,26.459 78.557,26.366 78.511,26.281 78.45,26.207 78.376,26.146 78.29,26.1 78.198,26.072 78.114,26.064 78.102,26.065 32.523,26.065 32.523,71.644 32.522,71.656 32.53,71.74 32.558,71.832 32.604,71.918 32.665,71.992 32.739,72.053 32.825,72.099 32.917,72.127 33.001,72.135 33.013,72.134 35.532,72.134 35.814,72.144 36.093,72.174 36.37,72.224 36.643,72.293 36.91,72.382 37.169,72.49 37.421,72.616 37.663,72.759 37.894,72.92 38.113,73.096 38.319,73.288 38.511,73.494 38.687,73.713 38.848,73.944 38.991,74.186 39.117,74.437 39.225,74.697 39.314,74.964 39.383,75.237 39.433,75.514 39.463,75.793 39.473,76.074 39.473,78.594 39.472,78.606 39.48,78.69 39.508,78.782 39.554,78.867 39.615,78.942 39.689,79.003 39.774,79.049 39.867,79.077 39.951,79.085

## Silkscreen, mask and mechanical layers (free items; w line width, h text height)
Bottom Overlay:
  text "JLCJLCJLCJLC" at 83.93,58.674 h1.54 r90
Case:
  drawing of 4624 lines, arcs and shapes, not listed